# Altium PCB board.PcbDoc
Units mil, origin at the board's own origin, x right, y up, seen from the top; angles counter-clockwise.
Board outline 2720 x 1585 mil, 2 copper layers (Top Layer, Bottom Layer), stack 65.792 mil thick; 30 components, 35 nets, 216 pads, 73 vias.
Unrouted connection lines stored in the file: 48.
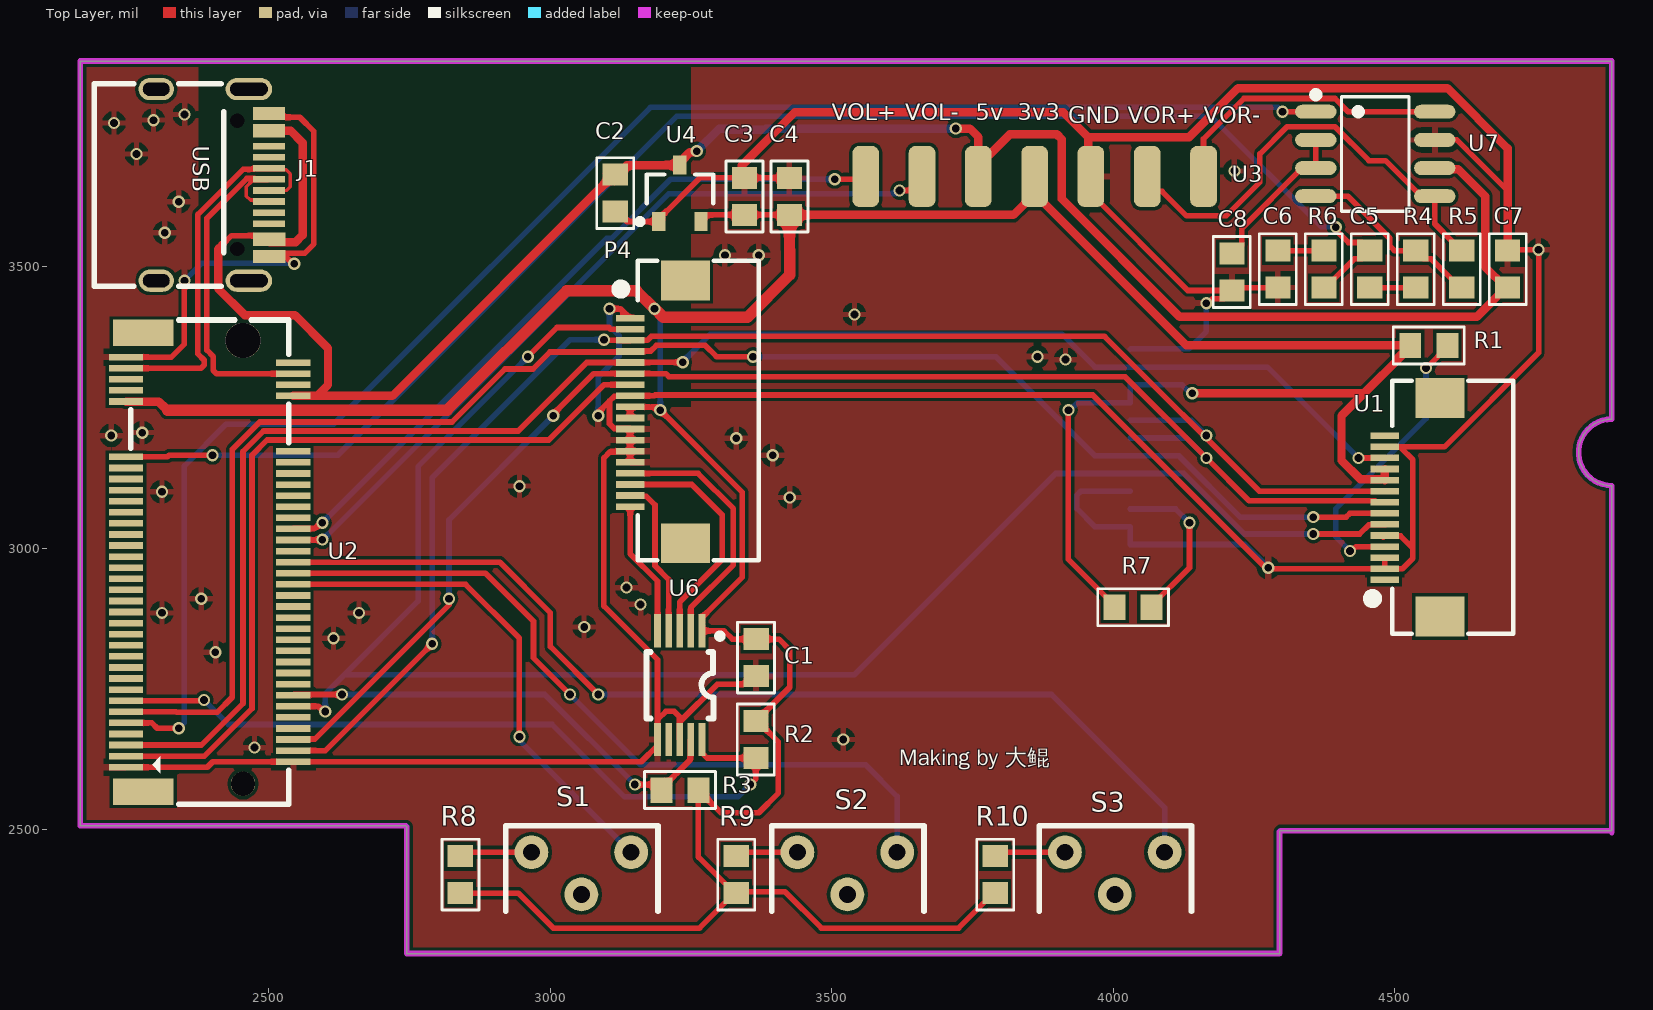
[diagram p0: Top Layer view]
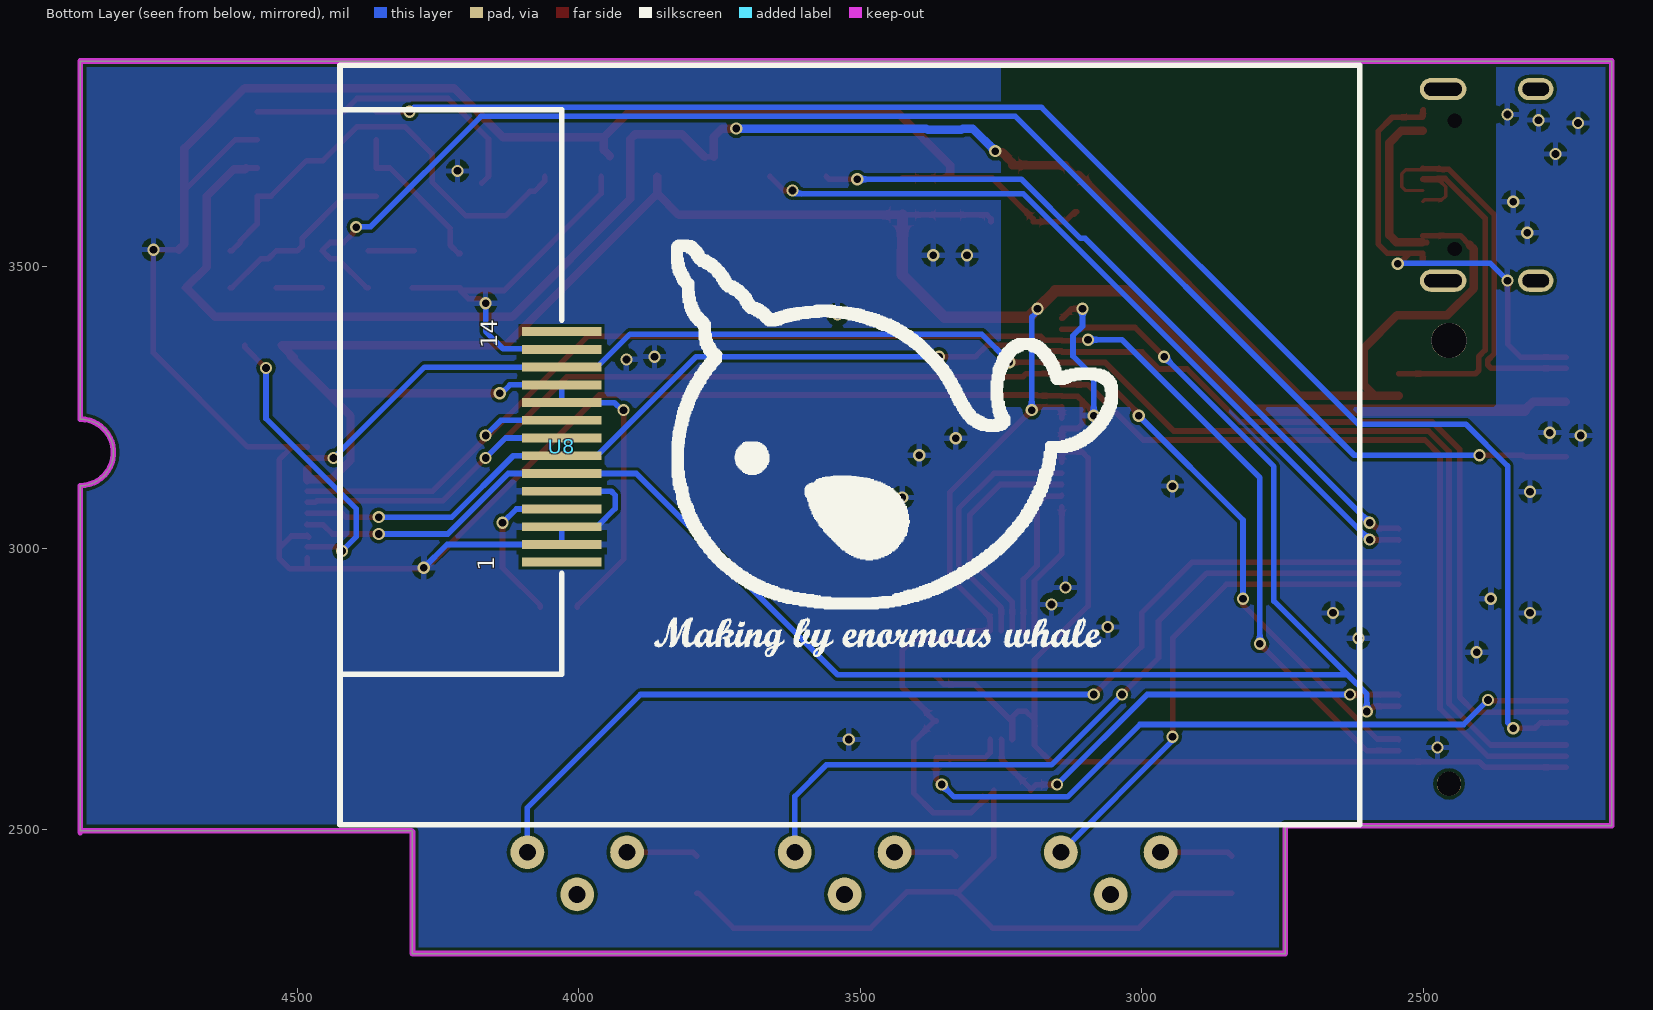
[diagram p1: Bottom Layer view, seen from below]

## Layer stack, top to bottom
Top Solder: solder mask 0.4, Solder Resist, Dk 3.5
Top Layer: signal copper 1.4
Dielectric 1: dielectric 62.9921, FR-4, Dk 4.8
Bottom Layer: signal copper 1.4
Bottom Solder: solder mask 0.4, Solder Resist, Dk 3.5

## Board outline
2745,2280 2745,2505 2743.27,2506.73 2165,2506.73 2165,3865 4885,3865 4885,3229.06 ccw(c4885,3170) 4885,3110.94 4885,2498.27 4296.73,2498.27 4295,2496.54 4295,2280

## Design rules (kind name [scope] priority, off if disabled: settings)
Clearance [All] p1: gap=6 ignorepadtopadclearanceinfootprint=FALSE
DiffPairsRouting [All] p1: maxlimit=10 minlimit=6 mostfreqgap=6 toplayer_minwidth=6 toplayer_maxwidth=15 toplayer_prefwidth=10 bottomlayer_minwidth=6 bottomlayer_maxwidth=15 bottomlayer_prefwidth=10 maxuncoupledlength=500
PolygonConnect [All] p1: connectstyle=Relief reliefconductorwidth=10 reliefentries=4 polygonreliefangle="90 Angle" airgapwidth=10
RoutingVias [All] p1: holewidth=28 width=20 viastyle="Through Hole" minholewidth=28 minwidth=10 maxholewidth=50 maxwidth=50
SolderMaskExpansion [All] p1: expansion=4
Width [All] p1: maxlimit=30 minlimit=10 preferedwidth=10
29 further rules are at their usual default settings.

## Classes and differential pairs
net class usb: USB_DM USB_DP
differential pair usb: +USB_DP -USB_DM

## Components (designator, comment, footprint, x,y, rotation, side; value= is the part's Value field where it differs from the comment)
C1 "10nF" C_0603 3365,2805 r90 top
C2 "10uF" C_0603 3115,3630 r90 top
C3 "10uF" C_0603 3345,3625 r270 top
C4 "10nF" C_0603 3425,3625 r270 top
C5 "330NF" C_0603 4455,3495 r90 top
C6 "100NF" C_0603 4291.67,3495 r90 top
C7 "10uF" C_0603 4700.39,3495.79 r270 top
C8 "1uF" C_0603 4210,3490 r90 top
J1 "USB type C" "USB Type-C-16Pin_A" 2300,3645 r270 top
P4 "ILI9341/7789" "FPC0.5 2H18P" 3240,3300 r90 top
R1 "220R" R_0603 4560,3360 r180 top
R2 "2k" R_0603 3365,2660 r90 top
R3 "2k" R_0603 3230,2570 r0 top
R4 "20k" R_0603 4536.67,3495.39 r270 top
R5 "75k" R_0603 4618.33,3495.39 r270 top
R6 "22R" R_0603 4373.73,3495.39 r90 top
R7 "220R" R_0603 4035,2895 r180 top
R8 "10k" R_0603 2840,2420 r270 top
R9 "10k" R_0603 3330,2420 r270 top
R10 "10k" R_0603 3790,2420 r270 top
S1 "SW" key 3143.4,2459.8 r180 top
S2 "SW" key 3615.84,2459.8 r180 top
S3 "SW" key 4090.84,2459.8 r180 top
U1 "LCD" "FPC0.5 2H-WS-14p" 4580,3170 r90 top
U2 "M.2OUT" CONN-SMD_APCI0113-P001A 2395,2975 r90 top
U3 "SIP2" sheet-7 3560,3660 r0 top
U4 "XC6206-3V0" XC6206P30 3230,3630 r90 top
U6 "NS2009" touch 3244.19,2767.09 r270 top
U7 "LM4871" lm4871-sop8 4465,3700 r270 top
U8 "LCD-H" LCD-H 4035,3165 r90 bottom

## Footprints (in the part's own frame and the unit in brackets; to place one, negate y for a bottom-side part, rotate by r counter-clockwise, add the part's x,y. Pads: shape width x height; smd on the part's side, far side on the other; paste and mask are expansions set on the pad)
C_0603 [mm]
  rect 0.99x1.14 smd: 1(-0.825,-0.01) 2(0.845,-0.01)
  silkscreen extent -1.59,-0.84 1.61,0.83, body extent -0.74,-0.36 0.76,0.34, height 0.55
CONN-SMD_APCI0113-P001A [mm]
  rect 0.3x1.55 smd: 1(-9.25,3.775) 2(-9,-3.775) 3(-8.75,3.775) 4(-8.5,-3.775) 5(-8.25,3.775) 6(-8,-3.775) 7(-7.75,3.775) 8(-7.5,-3.775) 9(-7.25,3.775) 10(-7,-3.775) 11(-6.75,3.775) 12(-6.5,-3.775) 13(-6.25,3.775) 14(-6,-3.775) 15(-5.75,3.775) 16(-5.5,-3.775) 17(-5.25,3.775) 18(-5,-3.775) 19(-4.75,3.775) 20(-4.5,-3.775) 21(-4.25,3.775) 22(-4,-3.775) 23(-3.75,3.775) 24(-3.5,-3.775) 25(-3.25,3.775) 26(-3,-3.775) 27(-2.75,3.775) 28(-2.5,-3.775) 29(-2.25,3.775) 30(-2,-3.775) 31(-1.75,3.775) 32(-1.5,-3.775) 33(-1.25,3.775) 34(-1,-3.775) 35(-0.75,3.775) 36(-0.5,-3.775) 37(-0.249,3.775) 38(0,-3.775) 39(0.25,3.775) 40(0.5,-3.775) 41(0.75,3.775) 42(1,-3.775) 43(1.25,3.775) 44(1.5,-3.775) 45(1.75,3.775) 46(2,-3.775) 47(2.25,3.775) 48(2.5,-3.775) 49(2.75,3.775) 50(3,-3.775) 51(3.25,3.775) 52(3.5,-3.775) 53(3.75,3.775) 54(4,-3.775) 55(4.25,3.775) 56(4.5,-3.775) 57(4.75,3.775) 58(5,-3.775) 67(7.25,3.775) 68(7.5,-3.775) 69(7.75,3.775) 70(8,-3.775) 71(8.25,3.775) 72(8.5,-3.775) 73(8.75,3.775) 74(9,-3.775) 75(9.25,3.775)
  rect 1.2x2.75 smd: 76(-10.35,3) 77(10.35,3)
  round 1.1 hole 1.1 unplated: ""(-10,-1.5)
  round 1.6 hole 1.6 unplated: ""(10,-1.5)
  silkscreen extent -10.92,-3.56 10.92,3.56, body extent -10.98,-4.35 10.92,4.35, height 4.17
"FPC0.5 2H18P" [mm]
  rect 0.3x1.3 smd: 1(2.75,2.497) 2(2.25,2.497) 3(1.75,2.497) 4(1.25,2.497) 5(0.75,2.497) 6(0.25,2.497) 7(-0.25,2.497) 8(-0.75,2.497) 9(-1.25,2.497) 10(-1.75,2.497) 11(-2.25,2.497) 12(-2.75,2.497) 13(-3.25,2.497) 14(-3.75,2.497) 15(-4.25,2.497) 16(-4.75,2.497) 17(-5.25,2.497) 18(-5.75,2.497)
  rect 1.8x2.2 smd: 25(-7.4,0) 26(4.445,0)
  silkscreen extent -8.18,-3.3 5.33,3.1
"FPC0.5 2H-WS-14p" [mm] "长：16.2mm，宽：5.2mm，高：2mm"
  rect 1.8x2.2 smd: 0(-7.4,0) 0(2.447,0)
  rect 0.3x1.3 smd: 1(-5.75,2.497) 2(-5.25,2.497) 3(-4.75,2.497) 4(-4.25,2.497) 5(-3.75,2.497) 6(-3.25,2.497) 7(-2.75,2.497) 8(-2.25,2.497) 9(-1.75,2.497) 10(-1.25,2.497) 11(-0.75,2.497) 12(-0.25,2.497) 13(0.25,2.497) 14(0.75,2.497)
  silkscreen extent -8.18,-3.3 3.22,3.23
key [mil]
  round 60 hole 30: 1(0,0) 2(177,0) 3(88.4,74.8)
  silkscreen extent -48,-47 223,105
LCD-H [mm]
  rect 0.4x3.6 smd: 1(-4.826,-0.127) 2(-4.026,-0.127) 3(-3.226,-0.127) 4(-2.426,-0.127) 5(-1.626,-0.127) 6(-0.826,-0.127) 7(-0.026,-0.127) 8(0.774,-0.127) 9(1.574,-0.127) 10(2.374,-0.127) 11(3.174,-0.127) 12(3.974,-0.127) 13(4.774,-0.127) 14(5.574,-0.127)
  silkscreen extent -16.67,-36.13 17.59,9.87
lm4871-sop8 [mm]
  oval 0.63x1.865 smd: 1(-1.905,-2.682) 2(-0.635,-2.682) 3(0.635,-2.682) 4(1.905,-2.682) 5(1.905,2.682) 6(0.635,2.682) 7(-0.635,2.682) 8(-1.905,2.682)
  silkscreen extent -2.82,-2.83 2.58,1.52
R_0603 [mm]
  rect 0.99x1.14 smd: 1(-0.835,0) 2(0.835,0)
  silkscreen extent -1.6,-0.83 1.6,0.84, body extent -0.75,-0.35 0.75,0.35, height 0.55
sheet-7 [mm]
  rrect50% 1.2x2.75 smd: 1(0,0) 2(2.54,0) 3(5.08,0) 4(7.62,0) 5(10.16,0) 6(12.7,0) 7(15.24,0)
touch [mil]
  rect 59.06x12 smd: 1(-85.91,24.87) 2(-85.91,5.18) 3(-85.91,-14.5) 4(-85.91,-34.19) 5(-85.91,-53.87) 6(107.09,-53.87) 7(107.09,-34.19) 8(107.09,-14.5) 9(107.09,5.18) 10(107.09,24.87)
  silkscreen extent -81,-74 70,62, body extent -89,-73 108,45, height 41
"USB Type-C-16Pin_A" [mm]
  oval 1x2.1 hole 0.6 slot 1.7 at 90 deg: 0(-4.32,4.18) 0(4.32,4.18)
  oval 1x1.6 hole 0.6 slot 1.2 at 90 deg: 0(-4.32,0) 0(4.32,0)
  round 0 hole 0.65: 0(-2.89,3.65) 0(2.89,3.65)
  rect 0.3x1.45 smd: A1(-3.375,5.092) A4(-2.6,5.092) A5(-1.25,5.092) A6(-0.25,5.092) A7(0.25,5.092) A8(-1.75,5.092) A9(2.6,5.1) A12(3.375,5.1) B1(3.075,5.1) B4(2.3,5.1) B5(1.75,5.092) B6(0.75,5.092) B7(-0.75,5.092) B8(1.25,5.092) B9(-2.3,5.092) B12(-3.075,5.092)
  silkscreen extent -4.57,-2.79 4.57,3.05, body extent -4.47,-2.6 4.47,5.3, height 3.25
XC6206P30 [mm]
  rect 0.85x0.6 smd: 1(-1.275,0.95) 2(-1.275,-0.95) 3(1.275,0)
  silkscreen extent -1.4,-1.5 0.85,1.92, body extent -0.85,-1.5 0.85,1.5, height 1.1

## Part data
C1 C2 C3 C4 C5 C6 C7 C8: library part C
J1: library part USB_C
R1 R2 R3 R4 R5 R6 R7 R8 R9 R10: library part R
U8: library part LCD

## Via types
v1: diameter 21.65, hole 13.78, Top Layer to Bottom Layer, tented both sides, 73 vias

## Nets (pads, with @x,y where several pads share a name; then routed paths per layer and width w, separated by ;. In a path a pad name is that pad's centre, name@x,y a point inside that pad or via, vN(x,y) a via of type N, cw(c..) or ccw(c..) an arc to the next point about the centre after c; other vN are vias at no path point)
3V3: C1.2 C3.2 C4.2 P4.9 P4.10 R1.2 R2.2 R3.2 R7.2 R8.2 R9.2 R10.2 U1.10 U1.11 U2.67 U3.4 U4.2 U6.1 U8.10 U8.11 | length 6807.5
  Top Layer w10: U2.67 U2.67@2246.59,3260.22 ; R8.2 2942.87,2387.13 3005,2325 3264.92,2325 R9.2@3327.05,2387.13 ; P4.10 P4.9 3142.09,3250.39 3189.61,3250.39 v1(3195,3245) 3341,3099 3341,2948.47 3269.06,2876.53 U6.1 3308.38,2853 3323.12,2838.27 C1.2 3405.87,2838.27 3425,2819.14 3425,2752.87 3382.44,2710.32 3382.44,2707.36 R2.2@3367.95,2692.87 ; R3.2 R3.2@3262.87,2567.05 ; U4.2 3267.4,3584.72 3274.41,3591.73 C3.2 C4.2@3421.65,3591.73 ; R9.2 R9.2@3327.05,2387.13 ; R9.2@3330,2390 3416.22,2390 3481.22,2325 3724.92,2325 3787.05,2387.13 R10.2 ; R2.2 R2.2@3367.95,2692.87 ; v1(3920,3245) 3920,2980.08 4002.13,2897.95 R7.2 ; R3.2@3262.87,2567.05 3262.87,2451.3 R9.2@3327.05,2387.13 ; R3.2@3262.87,2567.05 3277.36,2552.56 3280.32,2552.56 3302.87,2530 3370,2530 3405,2565 3405,2655.83 R2.2@3367.95,2692.87
  Top Layer w15: U2.67@2246.59,3260.22 2304.78,3260.22 2320,3245 ; C4.2 3822.24,3591.73 U3.4@3860,3629.49 ; U3.4 U3.4@3860,3629.49 ; v1(4140,3275) 4445,3275 ; U1.11 U1.10 4480.1,3122.38 4438.22,3122.38 4405,3155.6 4405,3235 4445,3275 ; 4506.16,3339.04 R1.2 4129.49,3360 U3.4@3860,3629.49 ; R1.2@4512.19,3342.18 4445,3275
  Top Layer w20: 2320,3245 2816.6,3245 3028.42,3456.83 3153.17,3456.83 v1(3185,3425) 3185.45,3425 3200.45,3410 3350,3410 3425,3485 3425,3529.61 3424.61,3530 C4.2
  Bottom Layer w10: 3190,3415 3195,3410 v1(3195,3245) ; v1(3920,3245) 3923.15,3245 3936.62,3258.46 U8.10 U8.11 4121.89,3289.96 4136.85,3275 v1(4140,3275)
+5: C2.2 C7.2 J1.A4 J1.A9 J1.B4 J1.B9 U2.68 U3.3 U4.3 U7.6 | length 3770.4
  Top Layer w10: 2417.4,3538.58 2433.84,3555.02 2500.21,3555.02 J1.B4 ; J1.A9@2493.77,3542.64 J1.A9 J1.A9@2501.69,3543.54 ; U2.68 2544.52,3271.18 2586.18,3271.18 ; C2.2@3112.44,3663.27 C2.2 3118.35,3663.27 C2.2@3135.28,3680.2 ; U4.3 U4.3@3230,3685.12 ; v1@3257.77,3702.77 v1(3260,3705) ; U3.3@3760,3695 U3.3@3776.19,3695 ; U7.6 U7.6@4590.31,3675 ; C7.2@4697.05,3462.52 C7.2
  Top Layer w15: 2417.4,3538.58 2409.73,3530.91 2409.73,3461.18 2457.21,3413.7 2546.3,3413.7 2605,3355 2605,3290 2586.18,3271.18 ; J1.A4@2500.47,3741.46 2538.54,3741.46 2560,3720 2560,3555.86 2547.69,3543.54 J1.A9@2501.69,3543.54 ; U2.68 2719.45,3270.28 C2.2@3112.44,3663.27 ; C2.2@3135.28,3680.2 U4.3 ; U4.3@3230,3685.12 3247.65,3702.77 v1@3257.77,3702.77 ; v1(3720,3745) 3745,3745 3760,3730 U3.3@3760,3695 ; U3.3@3776.19,3695 3816.19,3735 3899.28,3735 3908.44,3725.83 3908.44,3620 4117.77,3410.67 4645.2,3410.67 4697.05,3462.52 4660,3499.57 4660,3625 4611.88,3673.12 4592.18,3673.12 U7.6@4590.31,3675
  Bottom Layer w15: v1(3260,3705) 3300,3745 3302.97,3745 3303.3,3744.67 3318.04,3744.67 3320.04,3742.67 3379.96,3742.67 3382.29,3745 v1(3720,3745)
GND: C1.1 C2.1 C3.1 C4.1 C6.1 C7.1 C8.1 J1.A1 J1.A12 J1.B1 J1.B12 P4.1 P4.8 P4.11 P4.12 P4.13 P4.14 U1.2 U1.3 U1.5 U1.13 U2.1 U2.2 U2.75 U3.5 U4.1 U6.6 U6.8 U7.7 U8.2 U8.3 U8.5 U8.13 | length 9081.3
  Top Layer w10: U2.1 2390.53,2610.83 2400.37,2620.67 U2.2 3161.31,2620.67 3190.32,2649.68 U6.6 U6.6@3190.32,2682.9 ; U2.75 2326.9,3339.17 2350,3362.28 v1(2350,3475) ; J1.A1@2499.56,3778.78 J1.A1 J1.B12 2501.37,3765.16 2554.84,3765.16 2580,3740 2580,3540 2563.94,3523.94 J1.B1@2523.42,3523.94 ; J1.A12 J1.B1 J1.B1@2523.42,3523.94 ; v1(2545,3505) 2542.36,3505 J1.B1@2523.42,3523.94 ; v1(3085,3235) 3087.23,3237.23 3087.23,3243.38 3105,3261.15 ; v1(3105,3425) 3124.17,3425 3140.91,3408.27 P4.1 ; C2.1@3120,3592.91 C2.1 3118.35,3597.52 3136.06,3579.8 U4.1 3192.6,3584.72 3265.35,3657.48 3340,3657.48 C3.1@3341.65,3657.48 ; P4.14 P4.13 ; U6.6@3189.32,2683.9 U6.6@3190.32,2682.9 ; 3191.32,2696.32 3205,2710 3220,2710 3228.69,2701.31 3228.69,2692.4 U6.8@3228.69,2661 ; U6.8 3230.69,2661 3230.69,2692.4 3296.32,2758.03 3350.91,2758.03 C1.1 ; C3.1 3347.48,3657.48 C4.1 ; U3.5 3960,3629.49 4131.97,3457.52 C8.1 4195.91,3443.03 4176.19,3443.03 4168.15,3435 v1(4165,3435) ; C8.1@4210.39,3462.52 C6.1 C6.1@4295.01,3462.52 ; U1.5@4478.91,3019.58 U1.5 4482.6,3021.46 4509.97,3021.46 4531.57,2999.85 ; U1.3 U1.2 ; U7.7 4610,3725 4700,3635 ; C7.1@4710,3530 v1(4755,3530) 4755,3347.04 4587.8,3179.84 4509.97,3179.84 U1.13 4482.6,3178.94 4509.97,3178.94 4531.57,3157.33 4531.57,2999.85 ; 3105,3261.15 3113.42,3269.57 3140.79,3269.57 P4.8 3184.99,3270.47 3186.34,3271.83 3963.17,3271.83 4271.69,2963.31 U1.2 ; 3105,3261.15 3105,3220.74 3113.42,3212.32 3140.79,3212.32 P4.11 P4.12 P4.13 ; P4.13 3140.79,3171.14 3106.14,3171.14 3095,3160 3095,2897.24 3190.32,2801.92 3190.32,2696.32 U6.6@3190.32,2682.9 ; U1.2 4513.31,2963.31 4531.57,2981.57 4531.57,2999.85
  Top Layer w15: C3.1@3347.48,3657.48 3340,3664.96 3340,3680 3434.33,3774.33 3910.67,3774.33 3955,3730 ; U3.5@3944.21,3696.05 3955,3706.84 3955,3730 ; C7.1@4710,3530 4700,3540 4700,3635 4700,3710 4593.1,3816.9 4221.48,3816.9 4134.58,3730 3955,3730
  Bottom Layer w10: v1(2350,3475) 2380.61,3505.61 2544.39,3505.61 v1(2545,3505) ; v1(3085,3235) 3085,3304.08 3121.83,3340.9 3121.83,3377.25 3105,3394.08 v1(3105,3425) ; U8.5 3941.84,3100.98 3935,3094.14 3935,3070 3967.01,3037.99 U8.3 U8.2 4233.5,3006.5 v1(4275,2965) ; U8.13 4031.02,3353.98 4133.98,3353.98 4165,3385 v1(4165,3435)
  other v1: 2474.33,2646.02 3520,2660 2405,2815 2615,2840 3060,2860 2310,2885 2660,2885 3160,2900 2380,2910 3135,2930 3425,3090 2310,3100 2945,3110 3395,3165 3330,3195 2220,3200 2275,3205 3915,3335 3865,3340 3540,3415 3310,3520 3370,3520 2315,3560 2340,3615 4215,3670 2265,3700 2225,3755 2295,3760 2350,3770
HPOUTR: C5.2 R6.1 U2.57 | length 2658.1
  Top Layer w10: U2.57 2320,3162.01 2322.99,3165 v1(2400,3165) ; R6.1 4376.68,3462.52 4427.94,3513.78 4440.91,3513.78 C5.2 4440.91,3542.76 4417.24,3542.76 4400,3560
  Bottom Layer w10: v1(2400,3165) 2622.37,3165 3224.2,3766.83 4173.17,3766.83 4369.17,3570.83 4394.17,3570.83 v1(4395,3570)
key1: S1.1 U2.34 | length 908.4
  Top Layer w10: U2.34 2849.37,2935.63 2945,2840 v1(2945,2665) v1@2940,2665
  Bottom Layer w10: v1(2945,2665) 2945,2658.2 S1.1
key2: S2.1 U2.36 | length 1373.7
  Top Layer w10: U2.36 2884.68,2955.32 2970,2870 2970,2805 v1(3035,2740)
  Bottom Layer w10: v1(3035,2740) 3160,2615 3560,2615 3615.84,2559.16 S2.1
key3: S3.1 U2.38 | length 1842.3
  Top Layer w10: U2.38 2910,2975 3000,2885 3000,2825 v1(3085,2740)
  Bottom Layer w10: v1(3085,2740) 3890,2740 4090.84,2539.16 S3.1
NetC5_1: C5.1 R4.2 | length 81.3
  Top Layer w10: C5.1 R4.2
NetC6_2: C6.2 R6.2 | length 81.7
  Top Layer w10: C6.2 R6.2
NetC8_2: C8.2 U7.2 U7.3 | length 274.4
  Top Layer w10: C8.2 4213.35,3523.27 4227.83,3537.76 4227.83,3562.76 ; 4227.83,3567.76 4335.08,3675 U7.3 U7.2
NetR1_1: R1.1 U1.4 | length 522.7
  Top Layer w10: v1(4420,2995) 4423.15,2995 4430.83,3002.68 U1.4 ; v1(4555,3320) 4555.83,3320 4592.87,3357.05 R1.1
  Bottom Layer w10: v1(4420,2995) 4395,3020 4395,3070 4555,3230 v1(4555,3320)
NetR4_1: R4.1 R5.2 U7.4 | length 334.2
  Top Layer w10: U7.4 4416.15,3625 4490.81,3550.34 4490.81,3536.69 4499.23,3528.27 R4.1 4551.15,3513.78 4564.12,3513.78 4615.38,3462.52 R5.2
NetR7_1: R7.1 U8.4 | length 292.9
  Top Layer w10: R7.1 4067.87,2897.95 4135,2965.08 v1(4135,3045)
  Bottom Layer w10: U8.4 4110.51,3069.49 v1(4135,3045)
NetR8_1: R8.1 S1.2 | length 129.3
  Top Layer w10: R8.1 2846.93,2459.8 S1.2
NetR9_1: R9.1 S2.2 | length 111.7
  Top Layer w10: R9.1 3336.93,2459.8 S2.2
NetR10_1: R10.1 S3.2 | length 126.7
  Top Layer w10: R10.1 3796.93,2459.8 S3.2
PB4_DC: P4.4 U1.7 U2.11 U8.7 | length 2892.8
  Top Layer w10: U2.11 2334.88,2709.25 2335.96,2708.17 2408.17,2708.17 2435,2735 2435,3175.25 2483.75,3224 2825.29,3224 2919.47,3318.17 2969.04,3318.17 2999.04,3348.17 3114.04,3348.17 3114.17,3348.31 3140.79,3348.31 P4.4 3142.6,3350.12 3178.29,3350.12 3188.17,3360 3275,3360 3295,3340 v1(3360,3340) ; v1(4355,3055) 4413.15,3055 4419.89,3061.73 U1.7
  Bottom Layer w10: v1(3360,3340) 3790.98,3340 3967.01,3163.98 U8.7 4116.02,3163.98 4225,3055 v1(4355,3055)
PB5: P4.2 U1.6 U2.12 U8.6 | length 3092.8
  Top Layer w10: U2.12 2587.75,2719.09 2596.85,2710 v1(2600,2710) ; v1(2960,3340) 3011.83,3391.83 3104.04,3391.83 3107.29,3388.58 P4.2 ; v1(4355,3025) 4437.28,3025 4453.42,3041.14 4482.6,3041.14 U1.6
  Bottom Layer w10: v1(2600,2710) 2600,2740.87 2634.13,2775 ; v1(2960,3340) 2765,3145 2765,2905.87 2634.13,2775 ; v1(4355,3025) 4232.37,3025 4124.89,3132.48 U8.6 3897.48,3132.48 3540,2775 2634.13,2775
PC0_PI_MISO: P4.7 U2.3 | length 1432.2
  Top Layer w10: U2.3 2385.51,2630.51 2470,2715 2470,3165 2497,3192 2997,3192 3095.16,3290.16 P4.7
PC1_SPI_CLK: P4.3 U1.9 U2.4 U8.9 | length 2680.4
  Top Layer w10: U2.4 2600.35,2640.35 v1(2790,2830) ; v1@3098.15,3370 v1(3095,3370) 3095.55,3369.45 3122.01,3369.45 3123.47,3367.99 3140.79,3367.99 P4.3 3172,3368.9 3179.11,3376 3984,3376 4258.9,3101.1 U1.9
  Bottom Layer w10: v1(2790,2830) 2790,3125 3035,3370 v1(3095,3370) ; U8.9 4138.03,3226.97 v1(4165,3200)
PC2_SPI_CS: P4.5 U1.12 U2.5 U8.12 | length 2891.5
  Top Layer w10: U2.5 2380.2,2650.2 2454,2724 2454,3171.63 2490.37,3208 2943,3208 3064.53,3329.53 P4.5 3141.93,3329.76 3234.76,3329.76 v1(3235,3330) ; v1(4435,3160) 4435.08,3160.08 4481.61,3160.08 U1.12
  Bottom Layer w10: v1(3235,3330) 3235,3330.87 3284.13,3380 3908.46,3380 3967.01,3321.46 U8.12 4273.54,3321.46 v1(4435,3160)
PC3_SPI_MOSI: P4.6 U1.8 U2.6 U8.8 | length 2541.7
  Top Layer w10: U2.6 2544.52,2660.94 2581.81,2660.94 2820,2899.13 v1(2820,2910) ; v1(3005,3235) 3005,3237.87 3077.05,3309.92 3141.61,3309.92 P4.6 3205,3309.84 3210.47,3304.37 4020.63,3304.37 v1(4165,3160) 4240.8,3084.2 4464.44,3084.2 4467.22,3081.42 U1.8
  Bottom Layer w10: v1(2820,2910) 2820,3050 v1(3005,3235) ; U8.8 4129.53,3195.47 v1(4165,3160)
STB_WAKE: U2.9 U7.1 | length 2844.1
  Top Layer w10: U2.9 2292.28,2689.57 2301.85,2680 v1(2340,2680) ; v1(4300,3775) U7.1
  Bottom Layer w10: v1(2340,2680) 2350,2690 2350,3145.87 2424.13,3220 2615,3220 3177.83,3782.83 4292.17,3782.83 v1(4300,3775)
TWI0_SCK: R2.1 U2.13 U6.10 | length 1363.9
  Top Layer w10: U2.13 2383.94,2728.94 v1(2385,2730) ; U6.10 3269.06,2636.47 3278.41,2627.13 R2.1 3365,2590 v1(3355,2580)
  Bottom Layer w10: v1(2385,2730) 2428.17,2686.83 3003.17,2686.83 3131.83,2558.17 3333.17,2558.17 v1(3355,2580)
TWI0_SDA: R3.1 U2.14 U6.9 | length 836.1
  Top Layer w10: U2.14 2544.84,2740 v1(2630,2740) ; v1(3150,2580) 3187.13,2580 R3.1 3197.13,2572.95 3248.37,2624.2 3248.37,2659 U6.9
  Bottom Layer w10: v1(2630,2740) 2990,2740 v1(3150,2580)
USB_DM: J1.A7 J1.B7 U2.73 | length 678.3
  Top Layer w6: J1.A7 2531.49,3635.16 2538.01,3641.69 2538.01,3664.48 2530.86,3671.63 2503.37,3671.63 J1.B7
  Top Layer w10: U2.73 2379.41,3319.49 2385.27,3325.35 2385.27,3333.63 2374,3344.9 2374,3592.4 2454.3,3672.69 2474.17,3672.69 2475.11,3673.63 2499.56,3673.63 J1.B7
USB_DP: J1.A6 J1.B6 U2.72 | length 667.4
  Top Layer w6: J1.B6 2497.56,3618.38 2466.62,3618.38 2460,3625 2460,3641.87 2470.07,3651.94 2497.56,3651.94 J1.A6
  Top Layer w10: J1.A6 2499.56,3655.75 2475.11,3655.75 2474.17,3656.69 2460.92,3656.69 2390,3585.77 2390,3351.52 2401.27,3340.26 2401.27,3315.5 2407.12,3309.64 U2.72
VO+: U2.44 U3.1 | length 1275.7
  Top Layer w10: U2.44 2544.52,3034.96 2581.81,3034.96 2591.85,3045 v1(2595,3045) ; v1(3505,3655) 3555,3655 U3.1
  Bottom Layer w10: v1(2595,3045) 3100,3550 3108.24,3550 3213.24,3655 v1(3505,3655)
VO-: U2.42 U3.2 | length 1383.8
  Top Layer w10: U2.42 2543.93,3014.68 2594.68,3014.68 v1(2595,3015) ; v1(3620,3635) 3635,3635 U3.2
  Bottom Layer w10: v1(2595,3015) 2595.87,3015 3210,3629.13 3614.13,3629.13 v1(3620,3635)
VOR+: R5.1 U3.6 U7.5 | length 808.8
  Top Layer w10: U3.6 4060,3651.71 4078.1,3633.61 4086.39,3633.61 4130,3590 4200,3590 4260,3650 4260,3700.2 4308.2,3748.4 4393.39,3748.4 4453.65,3688.15 4483.15,3688.15 4546.3,3625 U7.5 4570.61,3575.99 4600.89,3545.71 4600.89,3542.76 4615.38,3528.27 R5.1
VOR-: U3.7 U7.8 | length 533.2
  Top Layer w10: U3.7@4171.6,3648.4 U3.7 4160,3726.8 4231.6,3798.4 4393.39,3798.4 4416.8,3775 U7.8
XN: P4.17 U6.4 | length 284.6
  Top Layer w10: P4.17 3142.6,3092.4 3169.97,3092.4 3185.69,3076.67 3185.69,2968.67 3210,2944.36 U6.4
XP: P4.15 U6.2 | length 457.6
  Top Layer w10: P4.15 3262.32,3132.68 3325,3070 3325,2970 3249.37,2894.37 U6.2
YN: P4.18 U6.5 | length 240.8
  Top Layer w10: P4.18 3141.69,2990.04 3190.32,2941.42 U6.5
YP: P4.16 U6.3 | length 422.9
  Top Layer w10: P4.16 3251.15,3112.99 3305,3059.14 3305,2979.36 3229.69,2904.05 U6.3
pads on no net: J1.0 J1.A5 J1.A8 J1.B5 J1.B8 P4.25 P4.26 S1.3 S2.3 S3.3 U1.0 U1.1 U1.14 U2. U2.7 U2.8 U2.10 U2.15 U2.16 U2.17 U2.18 U2.19 U2.20 U2.21 U2.22 U2.23 U2.24 U2.25 U2.26 U2.27 U2.28 U2.29 U2.30 U2.31 U2.32 U2.33 U2.35 U2.37 U2.39 U2.40 U2.41 U2.43 U2.45 U2.46 U2.47 U2.48 U2.49 U2.50 U2.51 U2.52 U2.53 U2.54 U2.55 U2.56 U2.58 U2.69 U2.70 U2.71 U2.74 U2.76 U2.77 U6.7 U8.1 U8.14

## Polygon pours and split planes (outlines as drawn)
GND on Bottom Layer "Bottom Layer-No Net" (solid, remove dead copper, pour order 6): 2165,3865 4885,3865 4885,3229.06 4880.94,3225 4855,3225 4850,3220 4845,3220 4835,3210 4835,3195 4825,3185 4825,3160 4835,3150 4835,3140 4855,3120 4875.94,3120 4885,3110.94 4885,2245 2165,2245
GND on Top Layer "Top Layer-No Net" (solid, remove dead copper, pour order 4): 2165,3865 4885,3865 4885,3229.06 4875.94,3220 4845,3220 4845,3215 4830,3200 4830,3185 4825,3180 4825,3155 4835,3145 4835,3135 4855,3115 4880.94,3115 4885,3110.94 4885,2245 2165,2245

## Keep-outs
Keep-Out Layer:
  lines w10: 4295,2496.54 4295,2280 2745,2280 2745,2505 2743.27,2506.73 2165,2506.73 2165,3865 4885,3865 4885,3229.06 ccw(c4885,3170) 4885,3110.94 4885,2495 ; 4296.73,2498.27 4885,2498.27

## Other copper
Top Layer:
  pour cut-out: 2375,3870 2375,3250 3250,3250 3250,3865
  pour cut-out: 2300,3870
  pour cut-out: 2400,3450
Bottom Layer:
  pour cut-out: 2370,3870 2370,3255 2375,3250 3250,3250 3250,3865

## Silkscreen, mask and mechanical layers (free items; w line width, h text height)
Top Overlay:
  lines w10: 2255,3177.01 2255,3212.45
  text "VOL+" at 3500,3750 h50
  text "VOL-" at 3630,3750 h50
  text "5v" at 3755,3750 h50
  text "3v3" at 3830,3750 h50
  text "GND" at 3920,3745 h50
  text "VOR+" at 4025,3745 h50
  text "VOR-" at 4160,3745 h50
  text "Making by 大鲲" at 3620,2605 h50
Bottom Overlay:
  drawing of 3417 lines, arcs and shapes, not listed

## Text inside footprints (layer, text, board x,y; h text height)
J1: Top Overlay "USB" at 2355,3715 h50 r270
U8: Bottom Overlay "1" at 4140,2960 h50 r270; Bottom Overlay "14" at 4135,3355 h50 r270